# Altium PCB PCB2.PcbDoc (part 3 of 9)
Units mil, origin at the board's own origin, x right, y up, seen from the top; angles counter-clockwise.
Board outline 7580 x 7350 mil, 6 copper layers (Signal 1, Ground 1, 2V5 and 0V6, n2V5 and n0V6, Ground 2, Signal 2), stack 52.268 mil thick; 572 components, 533 nets, 2081 pads, 679 vias.
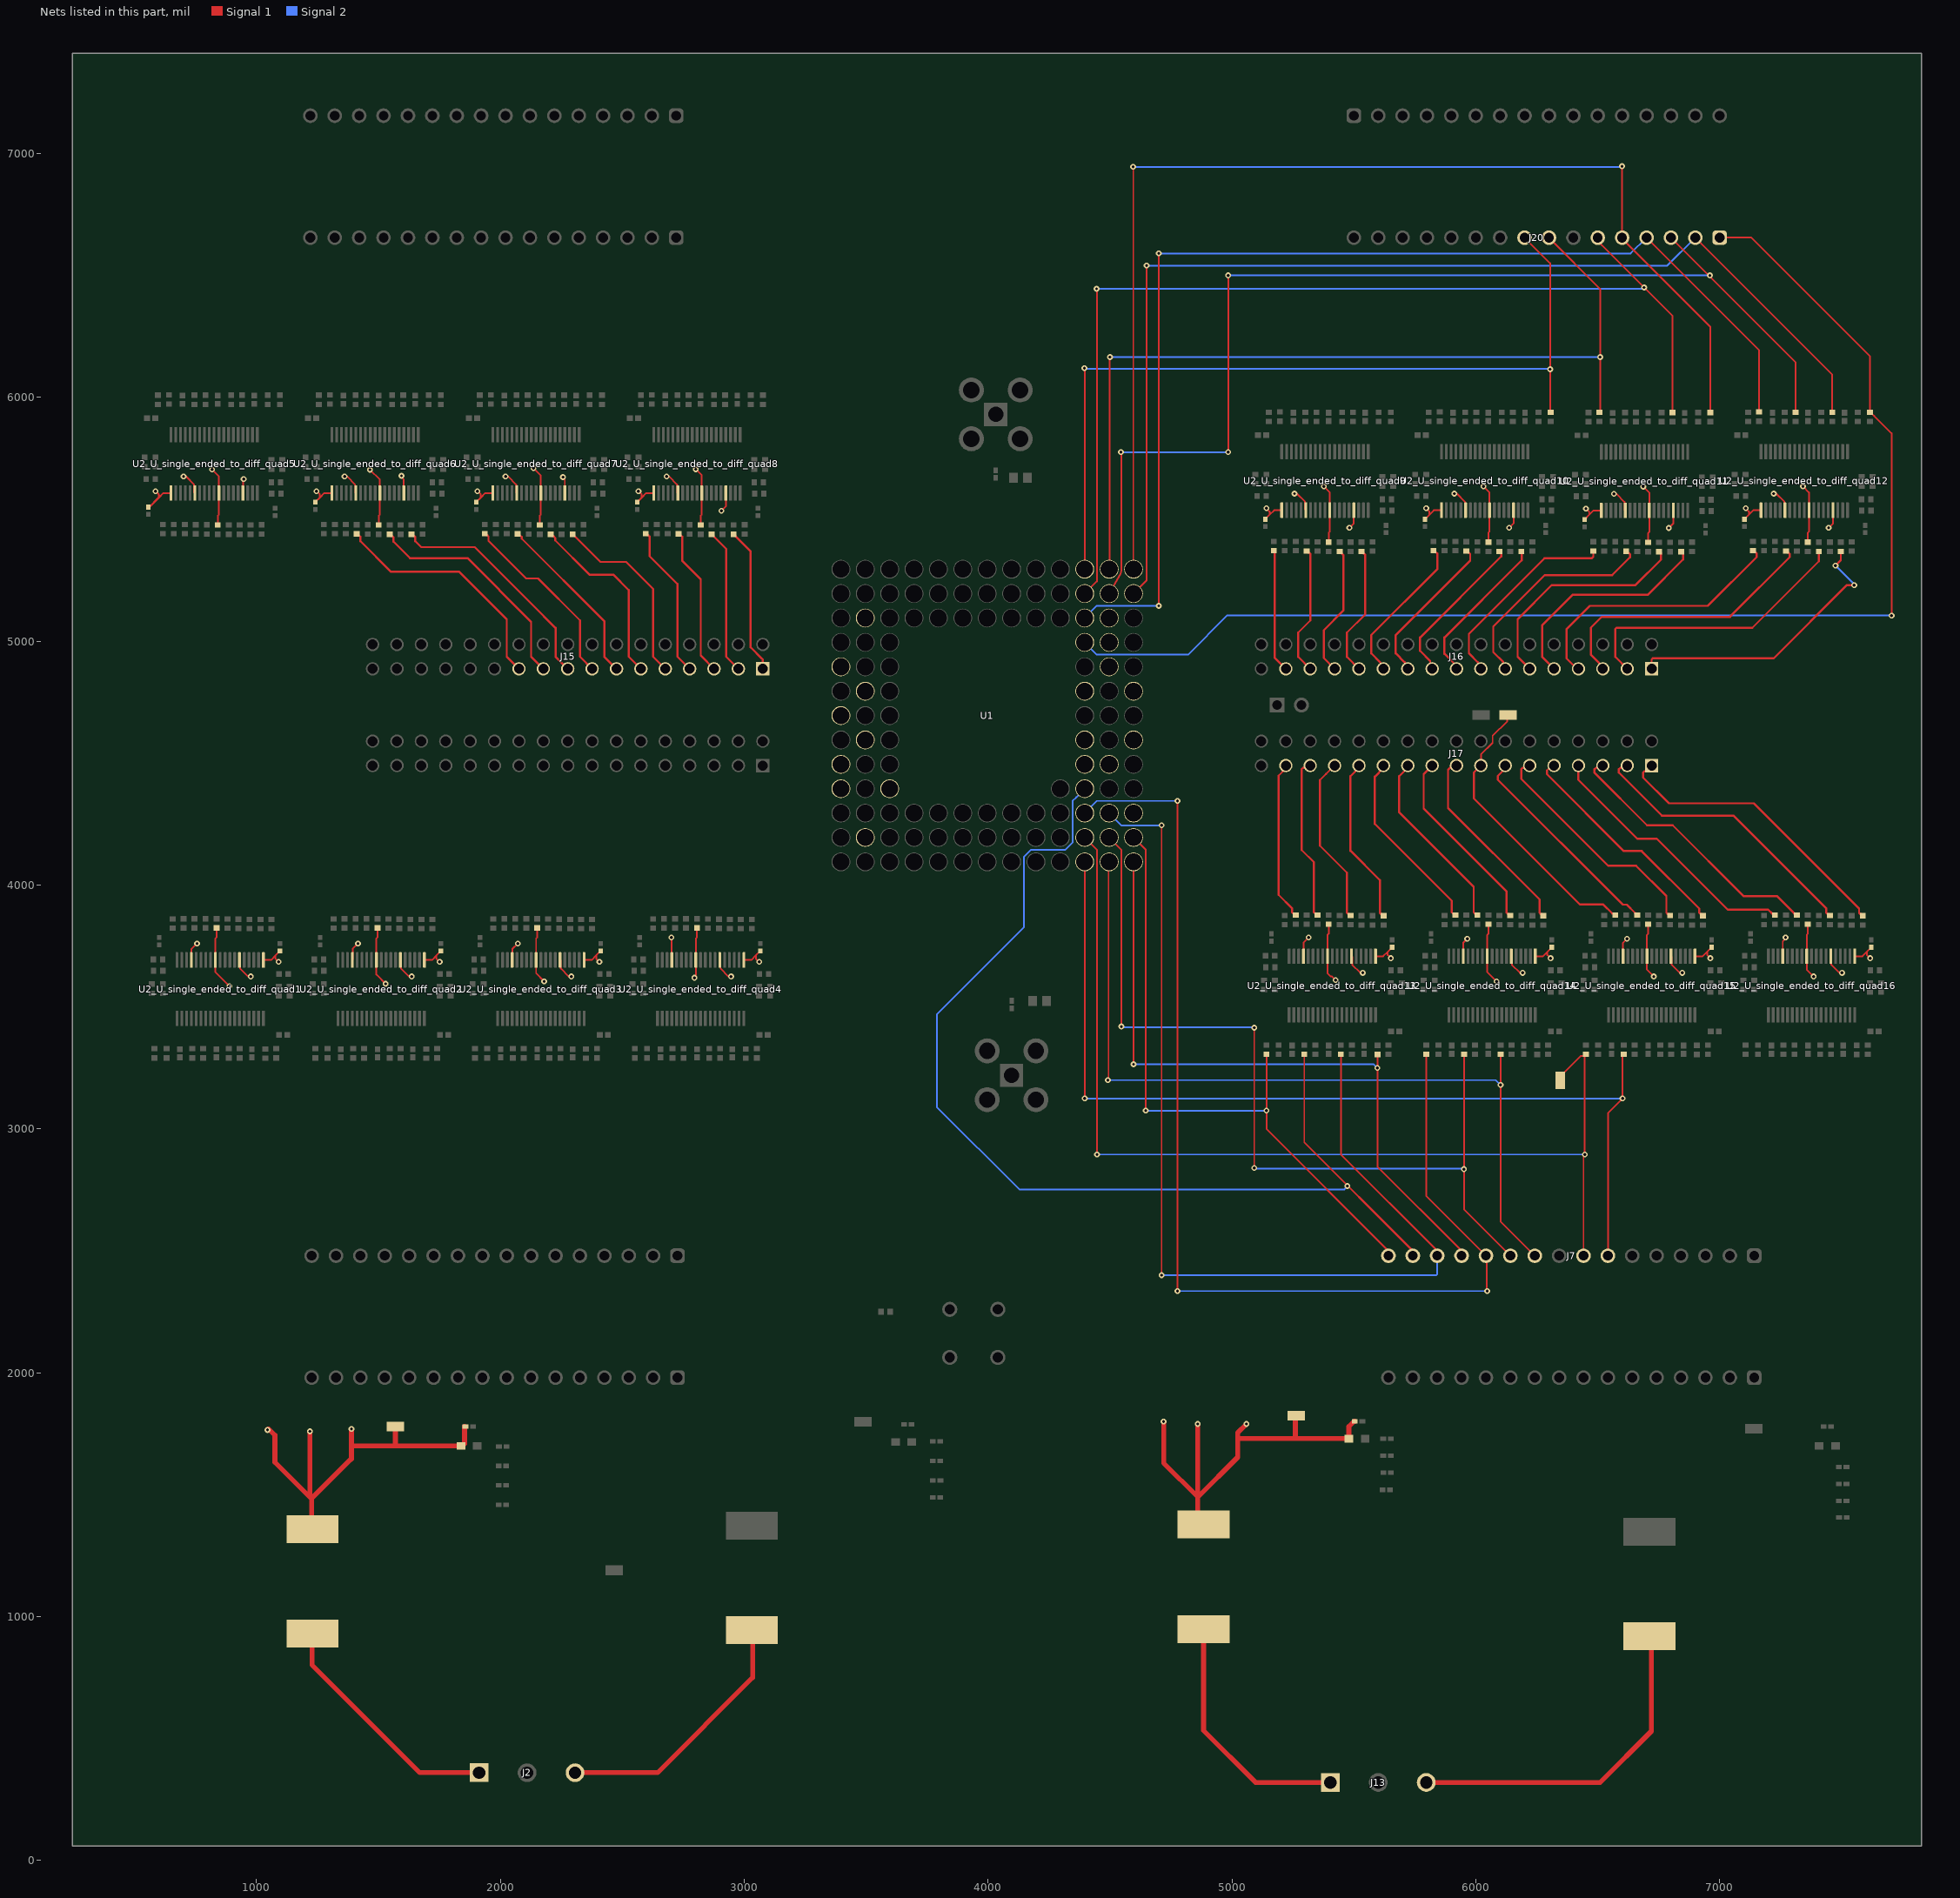
[diagram p7: the nets of this part, all layers, seen from the top]

## Part data (continued)
C27_U_single_ended_to_diff_quad1 C27_U_single_ended_to_diff_quad2 C27_U_single_ended_to_diff_quad3 C27_U_single_ended_to_diff_quad4 C27_U_single_ended_to_diff_quad5 C27_U_single_ended_to_diff_quad6 C27_U_single_ended_to_diff_quad7 C27_U_single_ended_to_diff_quad8 C27_U_single_ended_to_diff_quad9 C27_U_single_ended_to_diff_quad10 C27_U_single_ended_to_diff_quad11 C27_U_single_ended_to_diff_quad12 C27_U_single_ended_to_diff_quad13 C27_U_single_ended_to_diff_quad14 C27_U_single_ended_to_diff_quad15 C27_U_single_ended_to_diff_quad16 C29_U_single_ended_to_diff_quad1 C29_U_single_ended_to_diff_quad2 C29_U_single_ended_to_diff_quad3 C29_U_single_ended_to_diff_quad4 C29_U_single_ended_to_diff_quad5 C29_U_single_ended_to_diff_quad6 C29_U_single_ended_to_diff_quad7 C29_U_single_ended_to_diff_quad8 C29_U_single_ended_to_diff_quad9 C29_U_single_ended_to_diff_quad10 C29_U_single_ended_to_diff_quad11 C29_U_single_ended_to_diff_quad12 C29_U_single_ended_to_diff_quad13 C29_U_single_ended_to_diff_quad14 C29_U_single_ended_to_diff_quad15 C29_U_single_ended_to_diff_quad16: Capacitance=1nF
J2 J13: "PCB Terminal Screw 5mm 16AWG 400V 17.5A 3 Position COMBICON PT Series", Package=None, Check_prices=https://www.snapeda.com/parts/1935174/Phoenix+Contact/view-part/?ref=eda, MF="Phoenix Contact", MP=1935174, SnapEDA_Link=https://www.snapeda.com/parts/1935174/Phoenix+Contact/view-part/?ref=snap
J4 J6: library part CMP-09588-000003-1, "CONN SMA JACK STR 50 OHM PCB", Case/Package=SMA, Frequency=18GHz, Max Operating Temperature=165°C, Min Operating Temperature=-65°C, Operating Frequency="0 to 18 GHz", Package Quantity=5, Voltage Rating=335V, Body Plating=Gold, Connector Type=SMA, Contact Material=Copper, Contact Plating=Gold, Fastening Type=Threaded, Gender=Male, Impedance=50R, Max Frequency=18GHz, Mount="Through Hole", Orientation=Straight, Packaging=Bulk, Radiation Hardening=No, RoHS Compliant=Yes, Series=SMA, Termination=Solder
J5: library part CMP-15831-000009-1, "CONN HEADER VERT 2POS 2.54MM", Current Rating=3A, Manufacturer=Harwin, Temperature="-40°C to +105°C", Temperature Range High=+105°C, Temperature Range Low=-40°C, Automotive=No, Category=Conn, ComponentLink2Description=Datasheet, ComponentLink2URL=https://cdn.harwin.com/pdfs/M20-999.pdf, Conn Gender=Male, Conn Orientation=Vertical, Contact Material=Tin,Nickel, Device Class L1=Connectors, Device Class L2="Headers and Wire Housings", Device Class L3=unset, Digikey Description="CONN HEADER VERT 2POS 2.54MM", Height=8.99mm, Lead Free=Yes, Manufacturer Part Number=M20-9990246, Mouser Description="2.54mm (0.1\") Pitch SIL Vertical PC Tail Pin Header, 6.1mm mating pin height, tin, 2 contacts", Number Of Contacts=2, Number Of Rows=1, Octopart=https://octopart.com/m20-9990246-harwin-2590635, Package=M20-9990246, Pitch=2.54mm, RoHS=TRUE
J7 J8 J18 J19 J20 J21 J22 J23: library part CMP-1502-01343-3, Contact Resistance=20mΩ, Current Rating=3A, Operating Supply Voltage=250V, Contact Material=Copper, Gender=Female, Lead Free="Lead Free", Lead Pitch=2.54mm, NexarPartId=23389750, Number of Pins=16, Orientation=Vertical, RoHS=Compliant
J14 J15 J16 J17: Package=None, Availability=Unavailable, MF="{'manufacturer': u'Samtec Inc.'}", MP=ESW-117-44-G-D, Price=None
L1 L2 L3 L4: library part CMP-0226-00064-2, Ambient Temperature Range High=85°C, Ambient Temperature Range Low=-40°C, Case/Package=Nonstandard, Current Rating=26A, DC Resistance (DCR)=155µΩ, Inductance=220nH, Inductance Tolerance=20%, Max DC Current=28A, Max Operating Temperature=125°C, Saturation Current=42A, Self Resonant Frequency=35MHz, Test Frequency=100kHz, Composition=Wirewound, Height=5mm, Height - Seated (Max)=5.207mm, Lead Free="Lead Free", Length=13.5mm, Min Operating Temperature=-40°C, Mount="Surface Mount", NexarPartId=24533188, Number of Pins=2, Packaging="Tape & Reel (TR)", REACH SVHC="No SVHC", RoHS=Compliant, Shielding=Shielded, Termination=SMD/SMT, Tolerance=20%, Width=13.3mm
R1 R2 R6 R7: library part CMP-00621-41203676-1, "RC0603FR-071RL SMD Chip Resistor, 1 Ohm, ± 1%, 100 mW, 0603 [1608 Metric], Thick Film, General Purpose", Case Code (Imperial)=0603, Case Code (Metric)=1608, Max Operating Temperature=155°C, Max Power Dissipation=100mW, Min Operating Temperature=-55°C, Resistance=1Ω, Temperature Coefficient=200ppm/°C, Tolerance=1%, Voltage Rating=50V, Case/Package=0603, Composition="Thick Film", Depth=800µm, Features="Moisture Resistant", Height=500µm, Lead Free="Lead Free", Length=1.6002mm, NexarPartId=41203676, Number of Pins=2, Number of Terminations=2, Packaging="Tape & Reel", Power Rating=100mW, REACH SVHC=Unknown, RoHS=Compliant, Schedule B="8533210045, 8533210045", Termination=SMD/SMT, Voltage Rating (DC)=50V, Width=787.4µm
R3 R4: library part CMP-2000-00538-1, Manufacturer=Panasonic, Resistance="49.9 ohms", Part Number=ERJ-3EKF49R9V
R5: "No Description Available", Mfr_Name=Yageo, Resistance="10k ohms"
R8_U_single_ended_to_diff_quad1 R8_U_single_ended_to_diff_quad2 R8_U_single_ended_to_diff_quad3 R8_U_single_ended_to_diff_quad4 R8_U_single_ended_to_diff_quad5 R8_U_single_ended_to_diff_quad6 R8_U_single_ended_to_diff_quad7 R8_U_single_ended_to_diff_quad8 R8_U_single_ended_to_diff_quad9 R8_U_single_ended_to_diff_quad10 R8_U_single_ended_to_diff_quad11 R8_U_single_ended_to_diff_quad12 R8_U_single_ended_to_diff_quad13 R8_U_single_ended_to_diff_quad14 R8_U_single_ended_to_diff_quad15 R8_U_single_ended_to_diff_quad16 R9_U_single_ended_to_diff_quad1 R9_U_single_ended_to_diff_quad2 R9_U_single_ended_to_diff_quad3 R9_U_single_ended_to_diff_quad4 R9_U_single_ended_to_diff_quad5 R9_U_single_ended_to_diff_quad6 R9_U_single_ended_to_diff_quad7 R9_U_single_ended_to_diff_quad8 R9_U_single_ended_to_diff_quad9 R9_U_single_ended_to_diff_quad10 R9_U_single_ended_to_diff_quad11 R9_U_single_ended_to_diff_quad12 R9_U_single_ended_to_diff_quad13 R9_U_single_ended_to_diff_quad14 R9_U_single_ended_to_diff_quad15 R9_U_single_ended_to_diff_quad16 R11_U_single_ended_to_diff_quad1 R11_U_single_ended_to_diff_quad2 R11_U_single_ended_to_diff_quad3 R11_U_single_ended_to_diff_quad4 R11_U_single_ended_to_diff_quad5 R11_U_single_ended_to_diff_quad6 R11_U_single_ended_to_diff_quad7 R11_U_single_ended_to_diff_quad8 R11_U_single_ended_to_diff_quad9 R11_U_single_ended_to_diff_quad10 R11_U_single_ended_to_diff_quad11 R11_U_single_ended_to_diff_quad12 R11_U_single_ended_to_diff_quad13 R11_U_single_ended_to_diff_quad14 R11_U_single_ended_to_diff_quad15 R11_U_single_ended_to_diff_quad16 R13_U_single_ended_to_diff_quad1 R13_U_single_ended_to_diff_quad2 R13_U_single_ended_to_diff_quad3 R13_U_single_ended_to_diff_quad4 R13_U_single_ended_to_diff_quad5 R13_U_single_ended_to_diff_quad6 R13_U_single_ended_to_diff_quad7 R13_U_single_ended_to_diff_quad8 R13_U_single_ended_to_diff_quad9 R13_U_single_ended_to_diff_quad10 R13_U_single_ended_to_diff_quad11 R13_U_single_ended_to_diff_quad12 R13_U_single_ended_to_diff_quad13 R13_U_single_ended_to_diff_quad14 R13_U_single_ended_to_diff_quad15 R13_U_single_ended_to_diff_quad16 R14_U_single_ended_to_diff_quad1 R14_U_single_ended_to_diff_quad2 R14_U_single_ended_to_diff_quad3 R14_U_single_ended_to_diff_quad4 R14_U_single_ended_to_diff_quad5 R14_U_single_ended_to_diff_quad6 R14_U_single_ended_to_diff_quad7 R14_U_single_ended_to_diff_quad8 R14_U_single_ended_to_diff_quad9 R14_U_single_ended_to_diff_quad10 R14_U_single_ended_to_diff_quad11 R14_U_single_ended_to_diff_quad12 R14_U_single_ended_to_diff_quad13 R14_U_single_ended_to_diff_quad14 R14_U_single_ended_to_diff_quad15 R14_U_single_ended_to_diff_quad16 R15_U_single_ended_to_diff_quad1 R15_U_single_ended_to_diff_quad2 R15_U_single_ended_to_diff_quad3 R15_U_single_ended_to_diff_quad4 R15_U_single_ended_to_diff_quad5 R15_U_single_ended_to_diff_quad6 R15_U_single_ended_to_diff_quad7 R15_U_single_ended_to_diff_quad8 R15_U_single_ended_to_diff_quad9 R15_U_single_ended_to_diff_quad10 R15_U_single_ended_to_diff_quad11 R15_U_single_ended_to_diff_quad12 R15_U_single_ended_to_diff_quad13 R15_U_single_ended_to_diff_quad14 R15_U_single_ended_to_diff_quad15 R15_U_single_ended_to_diff_quad16 R17_U_single_ended_to_diff_quad1 R17_U_single_ended_to_diff_quad2 R17_U_single_ended_to_diff_quad3 R17_U_single_ended_to_diff_quad4 R17_U_single_ended_to_diff_quad5 R17_U_single_ended_to_diff_quad6 R17_U_single_ended_to_diff_quad7 R17_U_single_ended_to_diff_quad8 R17_U_single_ended_to_diff_quad9 R17_U_single_ended_to_diff_quad10 R17_U_single_ended_to_diff_quad11 R17_U_single_ended_to_diff_quad12 R17_U_single_ended_to_diff_quad13 R17_U_single_ended_to_diff_quad14 R17_U_single_ended_to_diff_quad15 R17_U_single_ended_to_diff_quad16 R19_U_single_ended_to_diff_quad1 R19_U_single_ended_to_diff_quad2 R19_U_single_ended_to_diff_quad3 R19_U_single_ended_to_diff_quad4 R19_U_single_ended_to_diff_quad5 R19_U_single_ended_to_diff_quad6 R19_U_single_ended_to_diff_quad7 R19_U_single_ended_to_diff_quad8 R19_U_single_ended_to_diff_quad9 R19_U_single_ended_to_diff_quad10 R19_U_single_ended_to_diff_quad11 R19_U_single_ended_to_diff_quad12 R19_U_single_ended_to_diff_quad13 R19_U_single_ended_to_diff_quad14 R19_U_single_ended_to_diff_quad15 R19_U_single_ended_to_diff_quad16 R20_U_single_ended_to_diff_quad1 R20_U_single_ended_to_diff_quad2 R20_U_single_ended_to_diff_quad3 R20_U_single_ended_to_diff_quad4 R20_U_single_ended_to_diff_quad5 R20_U_single_ended_to_diff_quad6 R20_U_single_ended_to_diff_quad7 R20_U_single_ended_to_diff_quad8 R20_U_single_ended_to_diff_quad9 R20_U_single_ended_to_diff_quad10 R20_U_single_ended_to_diff_quad11 R20_U_single_ended_to_diff_quad12 R20_U_single_ended_to_diff_quad13 R20_U_single_ended_to_diff_quad14 R20_U_single_ended_to_diff_quad15 R20_U_single_ended_to_diff_quad16 R21_U_single_ended_to_diff_quad1 R21_U_single_ended_to_diff_quad2 R21_U_single_ended_to_diff_quad3 R21_U_single_ended_to_diff_quad4 R21_U_single_ended_to_diff_quad5 R21_U_single_ended_to_diff_quad6 R21_U_single_ended_to_diff_quad7 R21_U_single_ended_to_diff_quad8 R21_U_single_ended_to_diff_quad9 R21_U_single_ended_to_diff_quad10 R21_U_single_ended_to_diff_quad11 R21_U_single_ended_to_diff_quad12 R21_U_single_ended_to_diff_quad13 R21_U_single_ended_to_diff_quad14 R21_U_single_ended_to_diff_quad15 R21_U_single_ended_to_diff_quad16 R23_U_single_ended_to_diff_quad1 R23_U_single_ended_to_diff_quad2 R23_U_single_ended_to_diff_quad3 R23_U_single_ended_to_diff_quad4 R23_U_single_ended_to_diff_quad5 R23_U_single_ended_to_diff_quad6 R23_U_single_ended_to_diff_quad7 R23_U_single_ended_to_diff_quad8 R23_U_single_ended_to_diff_quad9 R23_U_single_ended_to_diff_quad10 R23_U_single_ended_to_diff_quad11 R23_U_single_ended_to_diff_quad12 R23_U_single_ended_to_diff_quad13 R23_U_single_ended_to_diff_quad14 R23_U_single_ended_to_diff_quad15 R23_U_single_ended_to_diff_quad16 R25_U_single_ended_to_diff_quad1 R25_U_single_ended_to_diff_quad2 R25_U_single_ended_to_diff_quad3 R25_U_single_ended_to_diff_quad4 R25_U_single_ended_to_diff_quad5 R25_U_single_ended_to_diff_quad6 R25_U_single_ended_to_diff_quad7 R25_U_single_ended_to_diff_quad8 R25_U_single_ended_to_diff_quad9 R25_U_single_ended_to_diff_quad10 R25_U_single_ended_to_diff_quad11 R25_U_single_ended_to_diff_quad12 R25_U_single_ended_to_diff_quad13 R25_U_single_ended_to_diff_quad14 R25_U_single_ended_to_diff_quad15 R25_U_single_ended_to_diff_quad16 R26_U_single_ended_to_diff_quad1 R26_U_single_ended_to_diff_quad2 R26_U_single_ended_to_diff_quad3 R26_U_single_ended_to_diff_quad4 R26_U_single_ended_to_diff_quad5 R26_U_single_ended_to_diff_quad6 R26_U_single_ended_to_diff_quad7 R26_U_single_ended_to_diff_quad8 R26_U_single_ended_to_diff_quad9 R26_U_single_ended_to_diff_quad10 R26_U_single_ended_to_diff_quad11 R26_U_single_ended_to_diff_quad12 R26_U_single_ended_to_diff_quad13 R26_U_single_ended_to_diff_quad14 R26_U_single_ended_to_diff_quad15 R26_U_single_ended_to_diff_quad16 R27_U_single_ended_to_diff_quad1 R27_U_single_ended_to_diff_quad2 R27_U_single_ended_to_diff_quad3 R27_U_single_ended_to_diff_quad4 R27_U_single_ended_to_diff_quad5 R27_U_single_ended_to_diff_quad6 R27_U_single_ended_to_diff_quad7 R27_U_single_ended_to_diff_quad8 R27_U_single_ended_to_diff_quad9 R27_U_single_ended_to_diff_quad10 R27_U_single_ended_to_diff_quad11 R27_U_single_ended_to_diff_quad12 R27_U_single_ended_to_diff_quad13 R27_U_single_ended_to_diff_quad14 R27_U_single_ended_to_diff_quad15 R27_U_single_ended_to_diff_quad16 R29_U_single_ended_to_diff_quad1 R29_U_single_ended_to_diff_quad2 R29_U_single_ended_to_diff_quad3 R29_U_single_ended_to_diff_quad4 R29_U_single_ended_to_diff_quad5 R29_U_single_ended_to_diff_quad6 R29_U_single_ended_to_diff_quad7 R29_U_single_ended_to_diff_quad8 R29_U_single_ended_to_diff_quad9 R29_U_single_ended_to_diff_quad10 R29_U_single_ended_to_diff_quad11 R29_U_single_ended_to_diff_quad12 R29_U_single_ended_to_diff_quad13 R29_U_single_ended_to_diff_quad14 R29_U_single_ended_to_diff_quad15 R29_U_single_ended_to_diff_quad16: "No Description Available", Mfr_Name=Panasonic, Resistance="499 ohms"
R10_U_single_ended_to_diff_quad1 R10_U_single_ended_to_diff_quad2 R10_U_single_ended_to_diff_quad3 R10_U_single_ended_to_diff_quad4 R10_U_single_ended_to_diff_quad5 R10_U_single_ended_to_diff_quad6 R10_U_single_ended_to_diff_quad7 R10_U_single_ended_to_diff_quad8 R10_U_single_ended_to_diff_quad9 R10_U_single_ended_to_diff_quad10 R10_U_single_ended_to_diff_quad11 R10_U_single_ended_to_diff_quad12 R10_U_single_ended_to_diff_quad13 R10_U_single_ended_to_diff_quad14 R10_U_single_ended_to_diff_quad15 R10_U_single_ended_to_diff_quad16 R12_U_single_ended_to_diff_quad1 R12_U_single_ended_to_diff_quad2 R12_U_single_ended_to_diff_quad3 R12_U_single_ended_to_diff_quad4 R12_U_single_ended_to_diff_quad5 R12_U_single_ended_to_diff_quad6 R12_U_single_ended_to_diff_quad7 R12_U_single_ended_to_diff_quad8 R12_U_single_ended_to_diff_quad9 R12_U_single_ended_to_diff_quad10 R12_U_single_ended_to_diff_quad11 R12_U_single_ended_to_diff_quad12 R12_U_single_ended_to_diff_quad13 R12_U_single_ended_to_diff_quad14 R12_U_single_ended_to_diff_quad15 R12_U_single_ended_to_diff_quad16 R16_U_single_ended_to_diff_quad1 R16_U_single_ended_to_diff_quad2 R16_U_single_ended_to_diff_quad3 R16_U_single_ended_to_diff_quad4 R16_U_single_ended_to_diff_quad5 R16_U_single_ended_to_diff_quad6 R16_U_single_ended_to_diff_quad7 R16_U_single_ended_to_diff_quad8 R16_U_single_ended_to_diff_quad9 R16_U_single_ended_to_diff_quad10 R16_U_single_ended_to_diff_quad11 R16_U_single_ended_to_diff_quad12 R16_U_single_ended_to_diff_quad13 R16_U_single_ended_to_diff_quad14 R16_U_single_ended_to_diff_quad15 R16_U_single_ended_to_diff_quad16 R18_U_single_ended_to_diff_quad1 R18_U_single_ended_to_diff_quad2 R18_U_single_ended_to_diff_quad3 R18_U_single_ended_to_diff_quad4 R18_U_single_ended_to_diff_quad5 R18_U_single_ended_to_diff_quad6 R18_U_single_ended_to_diff_quad7 R18_U_single_ended_to_diff_quad8 R18_U_single_ended_to_diff_quad9 R18_U_single_ended_to_diff_quad10 R18_U_single_ended_to_diff_quad11 R18_U_single_ended_to_diff_quad12 R18_U_single_ended_to_diff_quad13 R18_U_single_ended_to_diff_quad14 R18_U_single_ended_to_diff_quad15 R18_U_single_ended_to_diff_quad16 R22_U_single_ended_to_diff_quad1 R22_U_single_ended_to_diff_quad2 R22_U_single_ended_to_diff_quad3 R22_U_single_ended_to_diff_quad4 R22_U_single_ended_to_diff_quad5 R22_U_single_ended_to_diff_quad6 R22_U_single_ended_to_diff_quad7 R22_U_single_ended_to_diff_quad8 R22_U_single_ended_to_diff_quad9 R22_U_single_ended_to_diff_quad10 R22_U_single_ended_to_diff_quad11 R22_U_single_ended_to_diff_quad12 R22_U_single_ended_to_diff_quad13 R22_U_single_ended_to_diff_quad14 R22_U_single_ended_to_diff_quad15 R22_U_single_ended_to_diff_quad16 R24_U_single_ended_to_diff_quad1 R24_U_single_ended_to_diff_quad2 R24_U_single_ended_to_diff_quad3 R24_U_single_ended_to_diff_quad4 R24_U_single_ended_to_diff_quad5 R24_U_single_ended_to_diff_quad6 R24_U_single_ended_to_diff_quad7 R24_U_single_ended_to_diff_quad8 R24_U_single_ended_to_diff_quad9 R24_U_single_ended_to_diff_quad10 R24_U_single_ended_to_diff_quad11 R24_U_single_ended_to_diff_quad12 R24_U_single_ended_to_diff_quad13 R24_U_single_ended_to_diff_quad14 R24_U_single_ended_to_diff_quad15 R24_U_single_ended_to_diff_quad16 R28_U_single_ended_to_diff_quad1 R28_U_single_ended_to_diff_quad2 R28_U_single_ended_to_diff_quad3 R28_U_single_ended_to_diff_quad4 R28_U_single_ended_to_diff_quad5 R28_U_single_ended_to_diff_quad6 R28_U_single_ended_to_diff_quad7 R28_U_single_ended_to_diff_quad8 R28_U_single_ended_to_diff_quad9 R28_U_single_ended_to_diff_quad10 R28_U_single_ended_to_diff_quad11 R28_U_single_ended_to_diff_quad12 R28_U_single_ended_to_diff_quad13 R28_U_single_ended_to_diff_quad14 R28_U_single_ended_to_diff_quad15 R28_U_single_ended_to_diff_quad16 R30_U_single_ended_to_diff_quad1 R30_U_single_ended_to_diff_quad2 R30_U_single_ended_to_diff_quad3 R30_U_single_ended_to_diff_quad4 R30_U_single_ended_to_diff_quad5 R30_U_single_ended_to_diff_quad6 R30_U_single_ended_to_diff_quad7 R30_U_single_ended_to_diff_quad8 R30_U_single_ended_to_diff_quad9 R30_U_single_ended_to_diff_quad10 R30_U_single_ended_to_diff_quad11 R30_U_single_ended_to_diff_quad12 R30_U_single_ended_to_diff_quad13 R30_U_single_ended_to_diff_quad14 R30_U_single_ended_to_diff_quad15 R30_U_single_ended_to_diff_quad16: "No Description Available", Mfr_Name=Yageo, Resistance="49.9 ohms"
SW1: "No Description Available", Mfr_Name="C&K Components", RefDes=RefDes, Type="Pushbutton Switches"
TP1 TP2 TP3 TP4 TP5 TP9 TP10 TP11: library part CMP-15817-000011-1, "PC TEST POINT NATURAL", Color=Natural, Body Material=Brass, Material="Copper Alloy", Mount="Surface Mount", Packaging="Tape and Reel", Plating=Tin, RoHS Compliant=Yes
U2_U_single_ended_to_diff_quad1 U2_U_single_ended_to_diff_quad2 U2_U_single_ended_to_diff_quad3 U2_U_single_ended_to_diff_quad4 U2_U_single_ended_to_diff_quad5 U2_U_single_ended_to_diff_quad6 U2_U_single_ended_to_diff_quad7 U2_U_single_ended_to_diff_quad8 U2_U_single_ended_to_diff_quad9 U2_U_single_ended_to_diff_quad10 U2_U_single_ended_to_diff_quad11 U2_U_single_ended_to_diff_quad12 U2_U_single_ended_to_diff_quad13 U2_U_single_ended_to_diff_quad14 U2_U_single_ended_to_diff_quad15 U2_U_single_ended_to_diff_quad16: library part CMP-0811-00089-2, "Very Low Power Quad Channel Rail-to-Rail Output Fully Differential Amplifier, 2.5 to 5.5 V, -40 to 85 degC, 38-pin SOP (DBT38), Green (RoHS & no Sb/Br)", Manufacturer="Texas Instruments", Offset Voltage Drift (+/-)(Max)(uV/Degrees Celsius=2, 2nd Harmonic(dBc)=85, 3rd Harmonic(dBc)=90, @ MHz=1, BW @ Acl(MHz)=135, Code_JEDEC=MO-153, ComponentLink1Description="Manufacturer URL", ComponentLink1URL=http://www.ti.com/, ComponentLink2Description=Datasheet, ComponentLink2URL=http://www.ti.com/general/docs/lit/getliterature.tsp?genericPartNumber=THS4524&fileType=pdf, ComponentLink3Description="Package Specification", ComponentLink3URL=http://www.ti.com/litv/pdf/mpds368, DatasheetVersion=SBOS458F, Eco-Plan="Green (RoHS & no Sb/Br)", Io(Typ)(mA)=35, Iq per channel(Max)(mA)=1.2, Mounting Technology="Surface Mount", Number of Channels=4, PackageDescription="38-Pin Plastic Small Outline, Body 9.7 x 4.4 mm, Pitch 0.5 mm", PackageReference=DBT0038A, PackageVersion="4073252-6/I, 03/2011", PartNumber=THS4524IDBT, Rail-Rail=Out, Slew Rate(Typ)(V/us)=420, SubFamily="Fully Differential Amplifier", Vio(Max)(mV)=2, Vn at Flatband(Typ)(nV/rtHz)=4.6, Vs(Max)(V)=5.5, Vs(Min)(V)=2.5

## Via types
v1: diameter 24, hole 12, Signal 1 to Signal 2, tented both sides, 679 vias

## Nets (pads, with @x,y where several pads share a name; then routed paths per layer and width w, separated by ;. In a path a pad name is that pad's centre, name@x,y a point inside that pad or via, vN(x,y) a via of type N, cw(c..) or ccw(c..) an arc to the next point about the centre after c; other vN are vias at no path point)
0V6: C1.2 L1.2 R1.2 TP1.1 U1.A3 U1.A6 U1.A8 U1.B5 U1.B9 U1.B10 U1.B11 U1.C5 U1.C6 U1.C8 U1.L4 U1.M2 U1.M6 U1.M8 U1.M11 U1.N4 U1.N5 U1.N7 U1.N9 | length 1731.2
  Signal 1 w20: v1(1045.88,1765.45) 1050,1769.57 1050,1770 1076.02,1743.98 1076.02,1633.27 1220,1489.29 v1(1220,1760) ; L1.2@1227,1354 1227,1486.13 1383.98,1643.11 1385.9,1643.11 1390,1647.21 1390,1700 ; v1(1390,1770) 1390,1700 ; TP1.1@1570,1780 1570,1700 ; C1.2@1853.54,1780 1853.54,1708.66 1844.88,1700 1570,1700 ; 1390,1700 1570,1700
2V5: C2.2 C27_U_single_ended_to_diff_quad1.2 C27_U_single_ended_to_diff_quad2.2 C27_U_single_ended_to_diff_quad3.2 C27_U_single_ended_to_diff_quad4.2 C27_U_single_ended_to_diff_quad5.2 C27_U_single_ended_to_diff_quad6.2 C27_U_single_ended_to_diff_quad7.2 C27_U_single_ended_to_diff_quad8.2 C27_U_single_ended_to_diff_quad9.2 C27_U_single_ended_to_diff_quad10.2 C27_U_single_ended_to_diff_quad11.2 C27_U_single_ended_to_diff_quad12.2 C27_U_single_ended_to_diff_quad13.2 C27_U_single_ended_to_diff_quad14.2 C27_U_single_ended_to_diff_quad15.2 C27_U_single_ended_to_diff_quad16.2 C28_U_single_ended_to_diff_quad1.1 C28_U_single_ended_to_diff_quad2.1 C28_U_single_ended_to_diff_quad3.1 C28_U_single_ended_to_diff_quad4.1 C28_U_single_ended_to_diff_quad5.1 C28_U_single_ended_to_diff_quad6.1 C28_U_single_ended_to_diff_quad7.1 C28_U_single_ended_to_diff_quad8.1 C28_U_single_ended_to_diff_quad9.1 C28_U_single_ended_to_diff_quad10.1 C28_U_single_ended_to_diff_quad11.1 C28_U_single_ended_to_diff_quad12.1 C28_U_single_ended_to_diff_quad13.1 C28_U_single_ended_to_diff_quad14.1 C28_U_single_ended_to_diff_quad15.1 C28_U_single_ended_to_diff_quad16.1 L2.2 R2.2 TP3.1 U2_U_single_ended_to_diff_quad1.20 U2_U_single_ended_to_diff_quad1.25 U2_U_single_ended_to_diff_quad1.30 U2_U_single_ended_to_diff_quad1.35 U2_U_single_ended_to_diff_quad2.20 U2_U_single_ended_to_diff_quad2.25 U2_U_single_ended_to_diff_quad2.30 U2_U_single_ended_to_diff_quad2.35 U2_U_single_ended_to_diff_quad3.20 U2_U_single_ended_to_diff_quad3.25 U2_U_single_ended_to_diff_quad3.30 U2_U_single_ended_to_diff_quad3.35 U2_U_single_ended_to_diff_quad4.20 U2_U_single_ended_to_diff_quad4.25 U2_U_single_ended_to_diff_quad4.30 U2_U_single_ended_to_diff_quad4.35 U2_U_single_ended_to_diff_quad5.20 U2_U_single_ended_to_diff_quad5.25 U2_U_single_ended_to_diff_quad5.30 U2_U_single_ended_to_diff_quad5.35 U2_U_single_ended_to_diff_quad6.20 U2_U_single_ended_to_diff_quad6.25 U2_U_single_ended_to_diff_quad6.30 U2_U_single_ended_to_diff_quad6.35 U2_U_single_ended_to_diff_quad7.20 U2_U_single_ended_to_diff_quad7.25 U2_U_single_ended_to_diff_quad7.30 U2_U_single_ended_to_diff_quad7.35 U2_U_single_ended_to_diff_quad8.20 U2_U_single_ended_to_diff_quad8.25 U2_U_single_ended_to_diff_quad8.30 U2_U_single_ended_to_diff_quad8.35 U2_U_single_ended_to_diff_quad9.20 U2_U_single_ended_to_diff_quad9.25 U2_U_single_ended_to_diff_quad9.30 U2_U_single_ended_to_diff_quad9.35 U2_U_single_ended_to_diff_quad10.20 U2_U_single_ended_to_diff_quad10.25 U2_U_single_ended_to_diff_quad10.30 U2_U_single_ended_to_diff_quad10.35 U2_U_single_ended_to_diff_quad11.20 U2_U_single_ended_to_diff_quad11.25 U2_U_single_ended_to_diff_quad11.30 U2_U_single_ended_to_diff_quad11.35 U2_U_single_ended_to_diff_quad12.20 U2_U_single_ended_to_diff_quad12.25 U2_U_single_ended_to_diff_quad12.30 U2_U_single_ended_to_diff_quad12.35 U2_U_single_ended_to_diff_quad13.20 U2_U_single_ended_to_diff_quad13.25 U2_U_single_ended_to_diff_quad13.30 U2_U_single_ended_to_diff_quad13.35 U2_U_single_ended_to_diff_quad14.20 U2_U_single_ended_to_diff_quad14.25 U2_U_single_ended_to_diff_quad14.30 U2_U_single_ended_to_diff_quad14.35 U2_U_single_ended_to_diff_quad15.20 U2_U_single_ended_to_diff_quad15.25 U2_U_single_ended_to_diff_quad15.30 U2_U_single_ended_to_diff_quad15.35 U2_U_single_ended_to_diff_quad16.20 U2_U_single_ended_to_diff_quad16.25 U2_U_single_ended_to_diff_quad16.30 U2_U_single_ended_to_diff_quad16.35 | length 10274